# Altium PCB PCB2.PcbDoc (part 8 of 9) (continued)
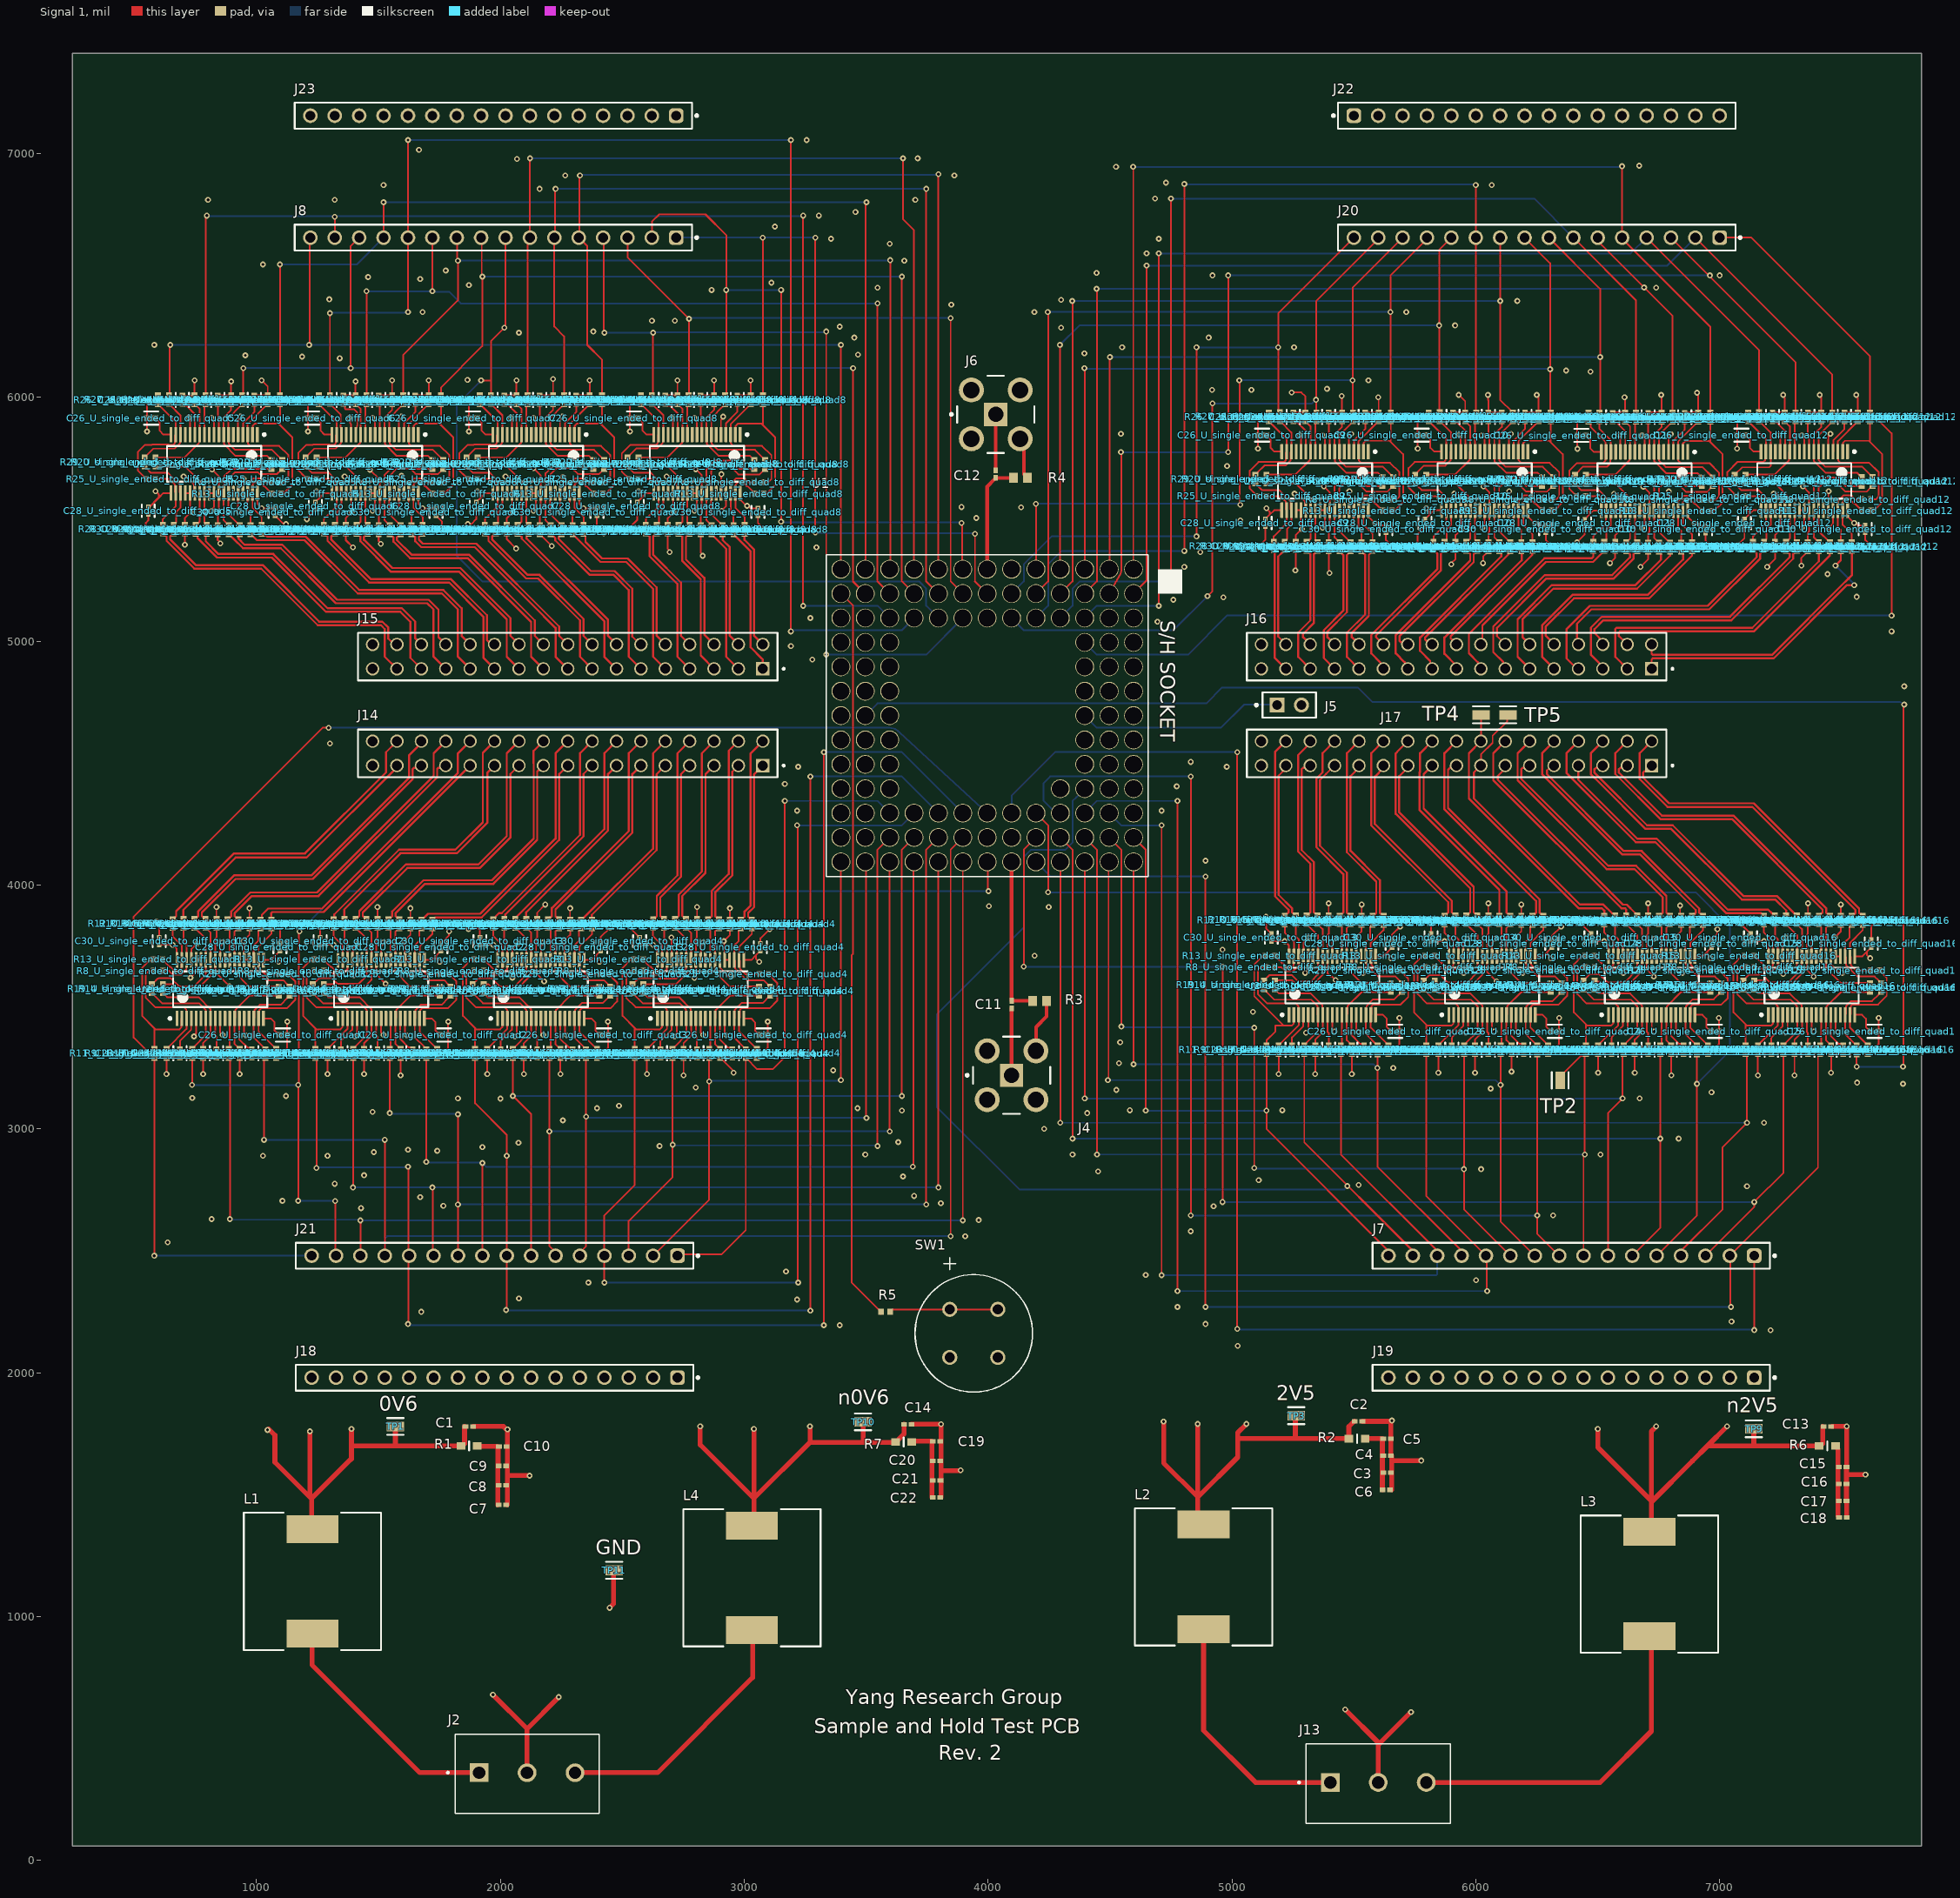
[diagram p0: Signal 1 view]
## Nets (pads, with @x,y where several pads share a name; then routed paths per layer and width w, separated by ;. In a path a pad name is that pad's centre, name@x,y a point inside that pad or via, vN(x,y) a via of type N, cw(c..) or ccw(c..) an arc to the next point about the centre after c; other vN are vias at no path point) (continued)
NetR23_U_single_ended_to_diff_quad4_2: R23_U_single_ended_to_diff_quad4.2 U2_U_single_ended_to_diff_quad4.12 | length 125.6
  Signal 1 w7: R23_U_single_ended_to_diff_quad4.2@2856.68,3328.9 2861.05,3333.27 U2_U_single_ended_to_diff_quad4.12@2861.05,3452.72
NetR23_U_single_ended_to_diff_quad5_2: R23_U_single_ended_to_diff_quad5.2 U2_U_single_ended_to_diff_quad5.12 | length 125.6
  Signal 1 w7: U2_U_single_ended_to_diff_quad5.12@787.31,5847.28 787.31,5966.73 R23_U_single_ended_to_diff_quad5.2@791.68,5971.1
NetR23_U_single_ended_to_diff_quad6_2: R23_U_single_ended_to_diff_quad6.2 U2_U_single_ended_to_diff_quad6.12 | length 125.6
  Signal 1 w7: U2_U_single_ended_to_diff_quad6.12@1447.31,5847.28 1447.31,5966.73 R23_U_single_ended_to_diff_quad6.2@1451.68,5971.1
NetR23_U_single_ended_to_diff_quad7_2: R23_U_single_ended_to_diff_quad7.2 U2_U_single_ended_to_diff_quad7.12 | length 125.6
  Signal 1 w7: U2_U_single_ended_to_diff_quad7.12@2107.31,5847.28 2107.31,5966.73 R23_U_single_ended_to_diff_quad7.2@2111.68,5971.1
NetR23_U_single_ended_to_diff_quad8_2: R23_U_single_ended_to_diff_quad8.2 U2_U_single_ended_to_diff_quad8.12 | length 125.6
  Signal 1 w7: U2_U_single_ended_to_diff_quad8.12@2767.31,5847.28 2767.31,5966.73 R23_U_single_ended_to_diff_quad8.2@2771.68,5971.1
NetR23_U_single_ended_to_diff_quad9_2: R23_U_single_ended_to_diff_quad9.2 U2_U_single_ended_to_diff_quad9.12 | length 125.6
  Signal 1 w7: U2_U_single_ended_to_diff_quad9.12@5342.31,5777.28 5342.31,5896.73 R23_U_single_ended_to_diff_quad9.2@5346.68,5901.1
NetR23_U_single_ended_to_diff_quad10_2: R23_U_single_ended_to_diff_quad10.2 U2_U_single_ended_to_diff_quad10.12 | length 125.6
  Signal 1 w7: U2_U_single_ended_to_diff_quad10.12@5997.31,5777.28 5997.31,5896.73 R23_U_single_ended_to_diff_quad10.2@6001.68,5901.1
NetR23_U_single_ended_to_diff_quad11_2: R23_U_single_ended_to_diff_quad11.2 U2_U_single_ended_to_diff_quad11.12 | length 125.6
  Signal 1 w7: U2_U_single_ended_to_diff_quad11.12@6652.31,5776.18 6652.31,5895.63 R23_U_single_ended_to_diff_quad11.2@6656.68,5900
NetR23_U_single_ended_to_diff_quad12_2: R23_U_single_ended_to_diff_quad12.2 U2_U_single_ended_to_diff_quad12.12 | length 125.6
  Signal 1 w7: U2_U_single_ended_to_diff_quad12.12@7307.31,5777.28 7307.31,5896.73 R23_U_single_ended_to_diff_quad12.2@7311.68,5901.1
NetR23_U_single_ended_to_diff_quad13_2: R23_U_single_ended_to_diff_quad13.2 U2_U_single_ended_to_diff_quad13.12 | length 125.6
  Signal 1 w7: R23_U_single_ended_to_diff_quad13.2@5446.68,3343.9 5451.05,3348.27 U2_U_single_ended_to_diff_quad13.12@5451.05,3467.72
NetR23_U_single_ended_to_diff_quad14_2: R23_U_single_ended_to_diff_quad14.2 U2_U_single_ended_to_diff_quad14.12 | length 125.6
  Signal 1 w7: R23_U_single_ended_to_diff_quad14.2@6101.68,3343.9 6106.05,3348.27 U2_U_single_ended_to_diff_quad14.12@6106.05,3467.72
NetR23_U_single_ended_to_diff_quad15_2: R23_U_single_ended_to_diff_quad15.2 U2_U_single_ended_to_diff_quad15.12 | length 125.6
  Signal 1 w7: R23_U_single_ended_to_diff_quad15.2@6756.68,3343.9 6761.05,3348.27 U2_U_single_ended_to_diff_quad15.12@6761.05,3467.72
NetR23_U_single_ended_to_diff_quad16_2: R23_U_single_ended_to_diff_quad16.2 U2_U_single_ended_to_diff_quad16.12 | length 125.6
  Signal 1 w7: R23_U_single_ended_to_diff_quad16.2@7411.68,3343.9 7416.05,3348.27 U2_U_single_ended_to_diff_quad16.12@7416.05,3467.72
NetR24_U_single_ended_to_diff_quad1_2: R24_U_single_ended_to_diff_quad1.2 U2_U_single_ended_to_diff_quad1.27 | length 134.5
  Signal 1 w6: R24_U_single_ended_to_diff_quad1.2@881.68,3822.8 R24_U_single_ended_to_diff_quad1.2@882.86,3822.8
  Signal 1 w7: R24_U_single_ended_to_diff_quad1.2@882.86,3822.8 891.05,3814.61 U2_U_single_ended_to_diff_quad1.27@891.05,3692.87
NetR24_U_single_ended_to_diff_quad2_2: R24_U_single_ended_to_diff_quad2.2 U2_U_single_ended_to_diff_quad2.27 | length 134.5
  Signal 1 w7: R24_U_single_ended_to_diff_quad2.2@1541.68,3822.8 1542.86,3822.8 1551.05,3814.61 U2_U_single_ended_to_diff_quad2.27@1551.05,3692.87
NetR24_U_single_ended_to_diff_quad3_2: R24_U_single_ended_to_diff_quad3.2 U2_U_single_ended_to_diff_quad3.27 | length 134.5
  Signal 1 w6: R24_U_single_ended_to_diff_quad3.2@2196.68,3822.8 R24_U_single_ended_to_diff_quad3.2@2197.86,3822.8
  Signal 1 w7: R24_U_single_ended_to_diff_quad3.2@2197.86,3822.8 2206.05,3814.61 U2_U_single_ended_to_diff_quad3.27@2206.05,3692.87
NetR24_U_single_ended_to_diff_quad4_2: R24_U_single_ended_to_diff_quad4.2 U2_U_single_ended_to_diff_quad4.27 | length 134.5
  Signal 1 w7: R24_U_single_ended_to_diff_quad4.2@2851.68,3822.8 2852.86,3822.8 2861.05,3814.61 U2_U_single_ended_to_diff_quad4.27@2861.05,3692.87
NetR24_U_single_ended_to_diff_quad5_2: R24_U_single_ended_to_diff_quad5.2 U2_U_single_ended_to_diff_quad5.27 | length 134.5
  Signal 1 w7: U2_U_single_ended_to_diff_quad5.27@787.31,5607.13 787.31,5485.39 795.5,5477.2 R24_U_single_ended_to_diff_quad5.2@796.68,5477.2
NetR24_U_single_ended_to_diff_quad6_2: R24_U_single_ended_to_diff_quad6.2 U2_U_single_ended_to_diff_quad6.27 | length 134.5
  Signal 1 w7: U2_U_single_ended_to_diff_quad6.27@1447.31,5607.13 1447.31,5485.39 1455.5,5477.2 R24_U_single_ended_to_diff_quad6.2@1456.68,5477.2
NetR24_U_single_ended_to_diff_quad7_2: R24_U_single_ended_to_diff_quad7.2 U2_U_single_ended_to_diff_quad7.27 | length 134.5
  Signal 1 w7: U2_U_single_ended_to_diff_quad7.27@2107.31,5607.13 2107.31,5485.39 2115.5,5477.2 R24_U_single_ended_to_diff_quad7.2@2116.68,5477.2
NetR24_U_single_ended_to_diff_quad8_2: R24_U_single_ended_to_diff_quad8.2 U2_U_single_ended_to_diff_quad8.27 | length 134.5
  Signal 1 w7: U2_U_single_ended_to_diff_quad8.27@2767.31,5607.13 2767.31,5485.39 2775.5,5477.2 R24_U_single_ended_to_diff_quad8.2@2776.68,5477.2
NetR24_U_single_ended_to_diff_quad9_2: R24_U_single_ended_to_diff_quad9.2 U2_U_single_ended_to_diff_quad9.27 | length 134.5
  Signal 1 w7: U2_U_single_ended_to_diff_quad9.27@5342.31,5537.13 5342.31,5415.39 5350.5,5407.2 R24_U_single_ended_to_diff_quad9.2@5351.68,5407.2
NetR24_U_single_ended_to_diff_quad10_2: R24_U_single_ended_to_diff_quad10.2 U2_U_single_ended_to_diff_quad10.27 | length 134.5
  Signal 1 w7: U2_U_single_ended_to_diff_quad10.27@5997.31,5537.13 5997.31,5415.39 6005.5,5407.2 R24_U_single_ended_to_diff_quad10.2@6006.68,5407.2
NetR24_U_single_ended_to_diff_quad11_2: R24_U_single_ended_to_diff_quad11.2 U2_U_single_ended_to_diff_quad11.27 | length 134.5
  Signal 1 w7: U2_U_single_ended_to_diff_quad11.27@6652.31,5536.02 6652.31,5414.29 6660.5,5406.1 R24_U_single_ended_to_diff_quad11.2@6661.68,5406.1
NetR24_U_single_ended_to_diff_quad12_2: R24_U_single_ended_to_diff_quad12.2 U2_U_single_ended_to_diff_quad12.27 | length 134.5
  Signal 1 w7: U2_U_single_ended_to_diff_quad12.27@7307.31,5537.13 7307.31,5415.39 7315.5,5407.2 R24_U_single_ended_to_diff_quad12.2@7316.68,5407.2
NetR24_U_single_ended_to_diff_quad13_2: R24_U_single_ended_to_diff_quad13.2 U2_U_single_ended_to_diff_quad13.27 | length 134.5
  Signal 1 w7: R24_U_single_ended_to_diff_quad13.2@5441.68,3837.8 5442.86,3837.8 5451.05,3829.61 U2_U_single_ended_to_diff_quad13.27@5451.05,3707.87
NetR24_U_single_ended_to_diff_quad14_2: R24_U_single_ended_to_diff_quad14.2 U2_U_single_ended_to_diff_quad14.27 | length 134.5
  Signal 1 w7: R24_U_single_ended_to_diff_quad14.2@6096.68,3837.8 6097.86,3837.8 6106.05,3829.61 U2_U_single_ended_to_diff_quad14.27@6106.05,3707.87
NetR24_U_single_ended_to_diff_quad15_2: R24_U_single_ended_to_diff_quad15.2 U2_U_single_ended_to_diff_quad15.27 | length 134.5
  Signal 1 w7: R24_U_single_ended_to_diff_quad15.2@6751.68,3837.8 6752.86,3837.8 6761.05,3829.61 U2_U_single_ended_to_diff_quad15.27@6761.05,3707.87
NetR24_U_single_ended_to_diff_quad16_2: R24_U_single_ended_to_diff_quad16.2 U2_U_single_ended_to_diff_quad16.27 | length 134.5
  Signal 1 w7: R24_U_single_ended_to_diff_quad16.2@7406.68,3837.8 7407.86,3837.8 7416.05,3829.61 U2_U_single_ended_to_diff_quad16.27@7416.05,3707.87
NetR25_U_single_ended_to_diff_quad1_1: R25_U_single_ended_to_diff_quad1.1 R26_U_single_ended_to_diff_quad1.2 U2_U_single_ended_to_diff_quad1.18 | length 473.1
  Signal 1 w7: R26_U_single_ended_to_diff_quad1.2@1081.68,3328.9 1080.5,3328.9 1009.16,3400.24 U2_U_single_ended_to_diff_quad1.18@1009.16,3452.72 1011.94,3455.5 1011.94,3487.63 1019.53,3495.21 1038.17,3495.21 1038.31,3495.07 1124.44,3495.07 1159.89,3530.52 1159.89,3604.51 1130.58,3633.82 R25_U_single_ended_to_diff_quad1.1@1130.58,3635
NetR25_U_single_ended_to_diff_quad1_2: R25_U_single_ended_to_diff_quad1.2 R28_U_single_ended_to_diff_quad1.2 U2_U_single_ended_to_diff_quad1.21 | length 276.4
  Signal 1 w7: R28_U_single_ended_to_diff_quad1.2@1061.68,3821.1 1061.68,3800 1009.16,3747.48 U2_U_single_ended_to_diff_quad1.21@1009.16,3692.87 1011.94,3690.09 1011.94,3657.96 1019.53,3650.38 1019.64,3650.38 1035.02,3635 R25_U_single_ended_to_diff_quad1.2@1092.78,3635
NetR25_U_single_ended_to_diff_quad2_1: R25_U_single_ended_to_diff_quad2.1 R26_U_single_ended_to_diff_quad2.2 U2_U_single_ended_to_diff_quad2.18 | length 473.1
  Signal 1 w7: R26_U_single_ended_to_diff_quad2.2@1741.68,3328.9 1740.5,3328.9 1669.16,3400.24 U2_U_single_ended_to_diff_quad2.18@1669.16,3452.72 1671.94,3455.5 1671.94,3487.63 1679.53,3495.21 1698.17,3495.21 1698.31,3495.07 1784.44,3495.07 1819.89,3530.52 1819.89,3604.51 1790.58,3633.82 R25_U_single_ended_to_diff_quad2.1@1790.58,3635
NetR25_U_single_ended_to_diff_quad2_2: R25_U_single_ended_to_diff_quad2.2 R28_U_single_ended_to_diff_quad2.2 U2_U_single_ended_to_diff_quad2.21 | length 276.4
  Signal 1 w7: R28_U_single_ended_to_diff_quad2.2@1721.68,3821.1 1721.68,3800 1669.16,3747.48 U2_U_single_ended_to_diff_quad2.21@1669.16,3692.87 1671.94,3690.09 1671.94,3657.96 1679.53,3650.38 1679.64,3650.38 1695.02,3635 R25_U_single_ended_to_diff_quad2.2@1752.78,3635
NetR25_U_single_ended_to_diff_quad3_1: R25_U_single_ended_to_diff_quad3.1 R26_U_single_ended_to_diff_quad3.2 U2_U_single_ended_to_diff_quad3.18 | length 483.9
  Signal 1 w7: R26_U_single_ended_to_diff_quad3.2@2396.68,3328.9 2395.5,3328.9 2324.16,3400.24 U2_U_single_ended_to_diff_quad3.18@2324.16,3452.72 2326.94,3455.5 2326.94,3487.63 2334.53,3495.21 2353.17,3495.21 2353.31,3495.07 2452.07,3495.07 2479,3522 2479,3600.4 2445.58,3633.82 R25_U_single_ended_to_diff_quad3.1@2445.58,3635
NetR25_U_single_ended_to_diff_quad3_2: R25_U_single_ended_to_diff_quad3.2 R28_U_single_ended_to_diff_quad3.2 U2_U_single_ended_to_diff_quad3.21 | length 276.4
  Signal 1 w7: R28_U_single_ended_to_diff_quad3.2@2376.68,3821.1 2376.68,3800 2324.16,3747.48 U2_U_single_ended_to_diff_quad3.21@2324.16,3692.87 2326.94,3690.09 2326.94,3657.96 2334.53,3650.38 2334.64,3650.38 2350.02,3635 R25_U_single_ended_to_diff_quad3.2@2407.78,3635
NetR25_U_single_ended_to_diff_quad4_1: R25_U_single_ended_to_diff_quad4.1 R26_U_single_ended_to_diff_quad4.2 U2_U_single_ended_to_diff_quad4.18 | length 484.3
  Signal 1 w7: R26_U_single_ended_to_diff_quad4.2@3051.68,3328.9 3050.5,3328.9 2979.16,3400.24 U2_U_single_ended_to_diff_quad4.18@2979.16,3452.72 2981.94,3455.5 2981.94,3487.63 2989.53,3495.21 3008.17,3495.21 3008.31,3495.07 3105.07,3495.07 3136,3526 3136,3598.4 3100.58,3633.82 R25_U_single_ended_to_diff_quad4.1@3100.58,3635
NetR25_U_single_ended_to_diff_quad4_2: R25_U_single_ended_to_diff_quad4.2 R28_U_single_ended_to_diff_quad4.2 U2_U_single_ended_to_diff_quad4.21 | length 276.4
  Signal 1 w7: R28_U_single_ended_to_diff_quad4.2@3031.68,3821.1 3031.68,3800 2979.16,3747.48 U2_U_single_ended_to_diff_quad4.21@2979.16,3692.87 2981.94,3690.09 2981.94,3657.96 2989.53,3650.38 2989.64,3650.38 3005.02,3635 R25_U_single_ended_to_diff_quad4.2@3062.78,3635
NetR25_U_single_ended_to_diff_quad5_1: R25_U_single_ended_to_diff_quad5.1 R26_U_single_ended_to_diff_quad5.2 U2_U_single_ended_to_diff_quad5.18 | length 484
  Signal 1 w7: R25_U_single_ended_to_diff_quad5.1@547.78,5665 547.78,5666.18 514,5699.97 514,5776 542.93,5804.93 571.5,5804.93 572.5,5805.93 639.06,5805.93 640.2,5804.79 658.84,5804.79 666.42,5812.37 666.42,5844.5 U2_U_single_ended_to_diff_quad5.18@669.2,5847.28 669.2,5899.76 597.86,5971.1 R26_U_single_ended_to_diff_quad5.2@596.68,5971.1
NetR25_U_single_ended_to_diff_quad5_2: R25_U_single_ended_to_diff_quad5.2 R28_U_single_ended_to_diff_quad5.2 U2_U_single_ended_to_diff_quad5.21 | length 276.4
  Signal 1 w7: R25_U_single_ended_to_diff_quad5.2@585.58,5665 643.35,5665 658.72,5649.62 658.84,5649.62 666.42,5642.04 666.42,5609.91 U2_U_single_ended_to_diff_quad5.21@669.2,5607.13 669.2,5552.52 616.68,5500 R28_U_single_ended_to_diff_quad5.2@616.68,5478.9
NetR25_U_single_ended_to_diff_quad6_1: R25_U_single_ended_to_diff_quad6.1 R26_U_single_ended_to_diff_quad6.2 U2_U_single_ended_to_diff_quad6.18 | length 484.4
  Signal 1 w7: R25_U_single_ended_to_diff_quad6.1@1207.79,5665 1207.79,5666.18 1200.26,5673.7 1199.08,5673.7 1173,5699.79 1173,5773 1204.93,5804.93 1231.5,5804.93 1232.5,5805.93 1299.06,5805.93 1300.2,5804.79 1318.84,5804.79 1326.42,5812.37 1326.42,5844.5 U2_U_single_ended_to_diff_quad6.18@1329.2,5847.28 1329.2,5899.76 1257.86,5971.1 R26_U_single_ended_to_diff_quad6.2@1256.68,5971.1
NetR25_U_single_ended_to_diff_quad6_2: R25_U_single_ended_to_diff_quad6.2 R28_U_single_ended_to_diff_quad6.2 U2_U_single_ended_to_diff_quad6.21 | length 276.4
  Signal 1 w7: R25_U_single_ended_to_diff_quad6.2@1245.58,5665 1303.35,5665 1318.72,5649.62 1318.84,5649.62 1326.42,5642.04 1326.42,5609.91 U2_U_single_ended_to_diff_quad6.21@1329.2,5607.13 1329.2,5552.52 1276.68,5500 R28_U_single_ended_to_diff_quad6.2@1276.68,5478.9
NetR25_U_single_ended_to_diff_quad7_1: R25_U_single_ended_to_diff_quad7.1 R26_U_single_ended_to_diff_quad7.2 U2_U_single_ended_to_diff_quad7.18 | length 484
  Signal 1 w7: R25_U_single_ended_to_diff_quad7.1@1867.79,5665 1867.79,5666.18 1860.26,5673.7 1859.08,5673.7 1832,5700.79 1832,5770 1866.93,5804.93 1891.5,5804.93 1892.5,5805.93 1959.06,5805.93 1960.2,5804.79 1978.84,5804.79 1986.42,5812.37 1986.42,5844.5 U2_U_single_ended_to_diff_quad7.18@1989.2,5847.28 1989.2,5899.76 1917.86,5971.1 R26_U_single_ended_to_diff_quad7.2@1916.68,5971.1
NetR25_U_single_ended_to_diff_quad7_2: R25_U_single_ended_to_diff_quad7.2 R28_U_single_ended_to_diff_quad7.2 U2_U_single_ended_to_diff_quad7.21 | length 276.4
  Signal 1 w7: R25_U_single_ended_to_diff_quad7.2@1905.58,5665 1963.35,5665 1978.72,5649.62 1978.84,5649.62 1986.42,5642.04 1986.42,5609.91 U2_U_single_ended_to_diff_quad7.21@1989.2,5607.13 1989.2,5552.52 1936.68,5500 R28_U_single_ended_to_diff_quad7.2@1936.68,5478.9
NetR25_U_single_ended_to_diff_quad8_1: R25_U_single_ended_to_diff_quad8.1 R26_U_single_ended_to_diff_quad8.2 U2_U_single_ended_to_diff_quad8.18 | length 473.1
  Signal 1 w7: R25_U_single_ended_to_diff_quad8.1@2527.78,5665 2527.78,5666.18 2498.48,5695.49 2498.48,5769.48 2533.93,5804.93 2620.06,5804.93 2620.2,5804.79 2638.84,5804.79 2646.42,5812.37 2646.42,5844.5 U2_U_single_ended_to_diff_quad8.18@2649.2,5847.28 2649.2,5899.76 2577.86,5971.1 R26_U_single_ended_to_diff_quad8.2@2576.68,5971.1
NetR25_U_single_ended_to_diff_quad8_2: R25_U_single_ended_to_diff_quad8.2 R28_U_single_ended_to_diff_quad8.2 U2_U_single_ended_to_diff_quad8.21 | length 276.4
  Signal 1 w7: R25_U_single_ended_to_diff_quad8.2@2565.58,5665 2623.35,5665 2638.72,5649.62 2638.84,5649.62 2646.42,5642.04 2646.42,5609.91 U2_U_single_ended_to_diff_quad8.21@2649.2,5607.13 2649.2,5552.52 2596.68,5500 R28_U_single_ended_to_diff_quad8.2@2596.68,5478.9
NetR25_U_single_ended_to_diff_quad9_1: R25_U_single_ended_to_diff_quad9.1 R26_U_single_ended_to_diff_quad9.2 U2_U_single_ended_to_diff_quad9.18 | length 473.1
  Signal 1 w7: R25_U_single_ended_to_diff_quad9.1@5102.78,5595 5102.78,5596.18 5073.48,5625.49 5073.48,5699.48 5108.93,5734.93 5195.06,5734.93 5195.2,5734.79 5213.84,5734.79 5221.42,5742.37 5221.42,5774.5 U2_U_single_ended_to_diff_quad9.18@5224.2,5777.28 5224.2,5829.76 5152.86,5901.1 R26_U_single_ended_to_diff_quad9.2@5151.68,5901.1
NetR25_U_single_ended_to_diff_quad9_2: R25_U_single_ended_to_diff_quad9.2 R28_U_single_ended_to_diff_quad9.2 U2_U_single_ended_to_diff_quad9.21 | length 276.4
  Signal 1 w7: R25_U_single_ended_to_diff_quad9.2@5140.58,5595 5198.35,5595 5213.72,5579.62 5213.84,5579.62 5221.42,5572.04 5221.42,5539.91 U2_U_single_ended_to_diff_quad9.21@5224.2,5537.13 5224.2,5482.52 5171.68,5430 R28_U_single_ended_to_diff_quad9.2@5171.68,5408.9
NetR25_U_single_ended_to_diff_quad10_1: R25_U_single_ended_to_diff_quad10.1 R26_U_single_ended_to_diff_quad10.2 U2_U_single_ended_to_diff_quad10.18 | length 485.6
  Signal 1 w7: R25_U_single_ended_to_diff_quad10.1@5757.78,5595 5757.78,5596.18 5724,5629.97 5724,5710 5748.93,5734.93 5850.06,5734.93 5850.2,5734.79 5868.84,5734.79 5876.42,5742.37 5876.42,5774.5 U2_U_single_ended_to_diff_quad10.18@5879.2,5777.28 5879.2,5829.76 5807.86,5901.1 R26_U_single_ended_to_diff_quad10.2@5806.68,5901.1
NetR25_U_single_ended_to_diff_quad10_2: R25_U_single_ended_to_diff_quad10.2 R28_U_single_ended_to_diff_quad10.2 U2_U_single_ended_to_diff_quad10.21 | length 276.4
  Signal 1 w7: R25_U_single_ended_to_diff_quad10.2@5795.58,5595 5853.35,5595 5868.72,5579.62 5868.84,5579.62 5876.42,5572.04 5876.42,5539.91 U2_U_single_ended_to_diff_quad10.21@5879.2,5537.13 5879.2,5482.52 5826.68,5430 R28_U_single_ended_to_diff_quad10.2@5826.68,5408.9
NetR25_U_single_ended_to_diff_quad11_1: R25_U_single_ended_to_diff_quad11.1 R26_U_single_ended_to_diff_quad11.2 U2_U_single_ended_to_diff_quad11.18 | length 474.2
  Signal 1 w7: R25_U_single_ended_to_diff_quad11.1@6412.78,5593.9 6412.78,5595.08 6382.98,5624.89 6382.98,5698.58 6415.09,5730.69 6521.55,5730.69 6531.92,5741.06 6531.92,5773.9 U2_U_single_ended_to_diff_quad11.18@6534.2,5776.18 6531.92,5778.46 6531.92,5816.94 6470.39,5878.48 6470.39,5892.48 6462.86,5900 R26_U_single_ended_to_diff_quad11.2@6461.68,5900
NetR25_U_single_ended_to_diff_quad11_2: R25_U_single_ended_to_diff_quad11.2 R28_U_single_ended_to_diff_quad11.2 U2_U_single_ended_to_diff_quad11.21 | length 276.8
  Signal 1 w7: R25_U_single_ended_to_diff_quad11.2@6450.58,5593.9 6509.17,5593.9 6531.92,5571.14 6531.92,5538.3 U2_U_single_ended_to_diff_quad11.21@6534.2,5536.02 6534.2,5481.42 6481.68,5428.9 R28_U_single_ended_to_diff_quad11.2@6481.68,5407.8
NetR25_U_single_ended_to_diff_quad12_1: R25_U_single_ended_to_diff_quad12.1 R26_U_single_ended_to_diff_quad12.2 U2_U_single_ended_to_diff_quad12.18 | length 479
  Signal 1 w7: R25_U_single_ended_to_diff_quad12.1@7067.78,5595 7067.78,5596.18 7032,5631.97 7032,5694 7074,5736 7120.93,5736 7121,5735.93 7179.98,5735.93 7186.42,5742.37 7186.42,5774.5 U2_U_single_ended_to_diff_quad12.18@7189.2,5777.28 7189.2,5829.76 7117.86,5901.1 R26_U_single_ended_to_diff_quad12.2@7116.68,5901.1
NetR25_U_single_ended_to_diff_quad12_2: R25_U_single_ended_to_diff_quad12.2 R28_U_single_ended_to_diff_quad12.2 U2_U_single_ended_to_diff_quad12.21 | length 276.4
  Signal 1 w7: R25_U_single_ended_to_diff_quad12.2@7105.58,5595 7163.35,5595 7178.72,5579.62 7178.84,5579.62 7186.42,5572.04 7186.42,5539.91 U2_U_single_ended_to_diff_quad12.21@7189.2,5537.13 7189.2,5482.52 7136.68,5430 R28_U_single_ended_to_diff_quad12.2@7136.68,5408.9
NetR25_U_single_ended_to_diff_quad13_1: R25_U_single_ended_to_diff_quad13.1 R26_U_single_ended_to_diff_quad13.2 U2_U_single_ended_to_diff_quad13.18 | length 479.9
  Signal 1 w7: R26_U_single_ended_to_diff_quad13.2@5641.68,3343.9 5640.5,3343.9 5569.16,3415.24 U2_U_single_ended_to_diff_quad13.18@5569.16,3467.72 5571.94,3470.5 5571.94,3502.63 5579.53,3510.21 5598.17,3510.21 5598.31,3510.07 5691.71,3510.07 5723,3541.36 5723,3616.4 5690.58,3648.82 R25_U_single_ended_to_diff_quad13.1@5690.58,3650
NetR25_U_single_ended_to_diff_quad13_2: R25_U_single_ended_to_diff_quad13.2 R28_U_single_ended_to_diff_quad13.2 U2_U_single_ended_to_diff_quad13.21 | length 276.4
  Signal 1 w7: R28_U_single_ended_to_diff_quad13.2@5621.68,3836.1 5621.68,3815 5569.16,3762.48 U2_U_single_ended_to_diff_quad13.21@5569.16,3707.87 5571.94,3705.09 5571.94,3672.96 5579.53,3665.38 5579.64,3665.38 5595.02,3650 R25_U_single_ended_to_diff_quad13.2@5652.78,3650
NetR25_U_single_ended_to_diff_quad14_1: R25_U_single_ended_to_diff_quad14.1 R26_U_single_ended_to_diff_quad14.2 U2_U_single_ended_to_diff_quad14.18 | length 473.1
  Signal 1 w7: R26_U_single_ended_to_diff_quad14.2@6296.68,3343.9 6295.5,3343.9 6224.16,3415.24 U2_U_single_ended_to_diff_quad14.18@6224.16,3467.72 6226.94,3470.5 6226.94,3502.63 6234.53,3510.21 6253.17,3510.21 6253.31,3510.07 6339.44,3510.07 6374.89,3545.52 6374.89,3619.51 6345.58,3648.82 R25_U_single_ended_to_diff_quad14.1@6345.58,3650
NetR25_U_single_ended_to_diff_quad14_2: R25_U_single_ended_to_diff_quad14.2 R28_U_single_ended_to_diff_quad14.2 U2_U_single_ended_to_diff_quad14.21 | length 276.4
  Signal 1 w7: R28_U_single_ended_to_diff_quad14.2@6276.68,3836.1 6276.68,3815 6224.16,3762.48 U2_U_single_ended_to_diff_quad14.21@6224.16,3707.87 6226.94,3705.09 6226.94,3672.96 6234.53,3665.38 6234.64,3665.38 6250.02,3650 R25_U_single_ended_to_diff_quad14.2@6307.78,3650
NetR25_U_single_ended_to_diff_quad15_1: R25_U_single_ended_to_diff_quad15.1 R26_U_single_ended_to_diff_quad15.2 U2_U_single_ended_to_diff_quad15.18 | length 483
  Signal 1 w7: R26_U_single_ended_to_diff_quad15.2@6951.68,3343.9 6950.5,3343.9 6879.16,3415.24 U2_U_single_ended_to_diff_quad15.18@6879.16,3467.72 6881.94,3470.5 6881.94,3502.63 6889.53,3510.21 6908.17,3510.21 6908.31,3510.07 7007.07,3510.07 7033,3536 7033,3616.4 7000.58,3648.82 R25_U_single_ended_to_diff_quad15.1@7000.58,3650
NetR25_U_single_ended_to_diff_quad15_2: R25_U_single_ended_to_diff_quad15.2 R28_U_single_ended_to_diff_quad15.2 U2_U_single_ended_to_diff_quad15.21 | length 276.4
  Signal 1 w7: R28_U_single_ended_to_diff_quad15.2@6931.68,3836.1 6931.68,3815 6879.16,3762.48 U2_U_single_ended_to_diff_quad15.21@6879.16,3707.87 6881.94,3705.09 6881.94,3672.96 6889.53,3665.38 6889.64,3665.38 6905.02,3650 R25_U_single_ended_to_diff_quad15.2@6962.78,3650
NetR25_U_single_ended_to_diff_quad16_1: R25_U_single_ended_to_diff_quad16.1 R26_U_single_ended_to_diff_quad16.2 U2_U_single_ended_to_diff_quad16.18 | length 473.1
  Signal 1 w7: R26_U_single_ended_to_diff_quad16.2@7606.68,3343.9 7605.5,3343.9 7534.16,3415.24 U2_U_single_ended_to_diff_quad16.18@7534.16,3467.72 7536.94,3470.5 7536.94,3502.63 7544.53,3510.21 7563.17,3510.21 7563.31,3510.07 7649.44,3510.07 7684.89,3545.52 7684.89,3619.51 7655.58,3648.82 R25_U_single_ended_to_diff_quad16.1@7655.58,3650
NetR25_U_single_ended_to_diff_quad16_2: R25_U_single_ended_to_diff_quad16.2 R28_U_single_ended_to_diff_quad16.2 U2_U_single_ended_to_diff_quad16.21 | length 276.4
  Signal 1 w7: R28_U_single_ended_to_diff_quad16.2@7586.68,3836.1 7586.68,3815 7534.16,3762.48 U2_U_single_ended_to_diff_quad16.21@7534.16,3707.87 7536.94,3705.09 7536.94,3672.96 7544.53,3665.38 7544.64,3665.38 7560.02,3650 R25_U_single_ended_to_diff_quad16.2@7617.78,3650
NetR27_U_single_ended_to_diff_quad1_2: R27_U_single_ended_to_diff_quad1.2 R29_U_single_ended_to_diff_quad1.1 U2_U_single_ended_to_diff_quad1.17 | length 350.6
  Signal 1 w7: R27_U_single_ended_to_diff_quad1.2@1036.68,3327.95 1035.5,3327.95 989.48,3373.97 U2_U_single_ended_to_diff_quad1.17@989.48,3452.72 991.76,3455 991.76,3487.13 992.26,3487.63 997.94,3493.31 997.94,3493.43 1013.73,3509.21 1043.97,3509.21 1044.1,3509.07 1099.66,3509.07 1127.48,3536.9 1127.48,3538.08 1135.5,3546.1 R29_U_single_ended_to_diff_quad1.1@1136.68,3546.1
NetR27_U_single_ended_to_diff_quad2_2: R27_U_single_ended_to_diff_quad2.2 R29_U_single_ended_to_diff_quad2.1 U2_U_single_ended_to_diff_quad2.17 | length 350.6
  Signal 1 w7: R27_U_single_ended_to_diff_quad2.2@1696.68,3327.95 1695.5,3327.95 1687.98,3335.47 1687.98,3336.65 1649.48,3375.15 U2_U_single_ended_to_diff_quad2.17@1649.48,3452.72 1652.26,3455.5 1652.26,3487.63 1657.94,3493.31 1657.94,3493.43 1673.73,3509.21 1703.97,3509.21 1704.1,3509.07 1759.66,3509.07 1787.48,3536.9 1787.48,3538.08 1795.5,3546.1 R29_U_single_ended_to_diff_quad2.1@1796.68,3546.1
NetR27_U_single_ended_to_diff_quad3_2: R27_U_single_ended_to_diff_quad3.2 R29_U_single_ended_to_diff_quad3.1 U2_U_single_ended_to_diff_quad3.17 | length 350.6
  Signal 1 w7: R27_U_single_ended_to_diff_quad3.2@2351.68,3327.95 2350.5,3327.95 2304.48,3373.97 U2_U_single_ended_to_diff_quad3.17@2304.48,3452.72 2306.76,3455 2306.76,3488.66 2334.31,3516.21 2420.61,3516.21 2450.5,3546.1 R29_U_single_ended_to_diff_quad3.1@2451.68,3546.1
NetR27_U_single_ended_to_diff_quad4_2: R27_U_single_ended_to_diff_quad4.2 R29_U_single_ended_to_diff_quad4.1 U2_U_single_ended_to_diff_quad4.17 | length 350.6
  Signal 1 w7: R27_U_single_ended_to_diff_quad4.2@3006.68,3327.95 3005.5,3327.95 2959.48,3373.97 U2_U_single_ended_to_diff_quad4.17@2959.48,3452.72 2961.76,3455 2961.76,3488.66 2989.31,3516.21 3075.61,3516.21 3105.5,3546.1 R29_U_single_ended_to_diff_quad4.1@3106.68,3546.1
NetR27_U_single_ended_to_diff_quad5_2: R27_U_single_ended_to_diff_quad5.2 R29_U_single_ended_to_diff_quad5.1 U2_U_single_ended_to_diff_quad5.17 | length 351.3
  Signal 1 w7: R29_U_single_ended_to_diff_quad5.1@541.68,5753.9 542.86,5753.9 550.89,5761.92 550.89,5763.1 577.36,5789.57 664.83,5789.57 686.61,5811.34 686.61,5845 U2_U_single_ended_to_diff_quad5.17@688.89,5847.28 688.89,5926.03 642.86,5972.05 R27_U_single_ended_to_diff_quad5.2@641.68,5972.05
NetR27_U_single_ended_to_diff_quad6_2: R27_U_single_ended_to_diff_quad6.2 R29_U_single_ended_to_diff_quad6.1 U2_U_single_ended_to_diff_quad6.17 | length 351.3
  Signal 1 w7: R29_U_single_ended_to_diff_quad6.1@1201.68,5753.9 1202.86,5753.9 1210.89,5761.92 1210.89,5763.1 1237.36,5789.57 1324.83,5789.57 1346.61,5811.34 1346.61,5845 U2_U_single_ended_to_diff_quad6.17@1348.89,5847.28 1348.89,5872.87 1344.61,5877.15 1344.61,5930.31 1330,5944.92 1302.86,5972.05 R27_U_single_ended_to_diff_quad6.2@1301.68,5972.05
NetR27_U_single_ended_to_diff_quad7_2: R27_U_single_ended_to_diff_quad7.2 R29_U_single_ended_to_diff_quad7.1 U2_U_single_ended_to_diff_quad7.17 | length 351.3
  Signal 1 w7: R29_U_single_ended_to_diff_quad7.1@1861.68,5753.9 1862.86,5753.9 1870.89,5761.92 1870.89,5763.1 1897.36,5789.57 1984.83,5789.57 2006.61,5811.34 2006.61,5845 U2_U_single_ended_to_diff_quad7.17@2008.89,5847.28 2008.89,5926.03 1962.86,5972.05 R27_U_single_ended_to_diff_quad7.2@1961.68,5972.05
NetR27_U_single_ended_to_diff_quad8_2: R27_U_single_ended_to_diff_quad8.2 R29_U_single_ended_to_diff_quad8.1 U2_U_single_ended_to_diff_quad8.17 | length 350.6
  Signal 1 w7: R29_U_single_ended_to_diff_quad8.1@2521.68,5753.9 2522.86,5753.9 2530.89,5761.92 2530.89,5763.1 2558.71,5790.93 2614.26,5790.93 2614.4,5790.79 2644.64,5790.79 2660.42,5806.57 2660.42,5806.69 2666.11,5812.37 2666.11,5844.5 U2_U_single_ended_to_diff_quad8.17@2668.89,5847.28 2668.89,5926.03 2622.86,5972.05 R27_U_single_ended_to_diff_quad8.2@2621.68,5972.05
NetR27_U_single_ended_to_diff_quad9_2: R27_U_single_ended_to_diff_quad9.2 R29_U_single_ended_to_diff_quad9.1 U2_U_single_ended_to_diff_quad9.17 | length 350.6
  Signal 1 w7: R29_U_single_ended_to_diff_quad9.1@5096.68,5683.9 5097.86,5683.9 5105.89,5691.92 5105.89,5693.1 5133.71,5720.93 5189.26,5720.93 5189.4,5720.79 5219.64,5720.79 5235.42,5736.57 5235.42,5736.69 5241.11,5742.37 5241.11,5774.5 U2_U_single_ended_to_diff_quad9.17@5243.89,5777.28 5243.89,5856.03 5197.86,5902.05 R27_U_single_ended_to_diff_quad9.2@5196.68,5902.05
NetR27_U_single_ended_to_diff_quad10_2: R27_U_single_ended_to_diff_quad10.2 R29_U_single_ended_to_diff_quad10.1 U2_U_single_ended_to_diff_quad10.17 | length 351.3
  Signal 1 w7: R29_U_single_ended_to_diff_quad10.1@5751.68,5683.9 5752.86,5683.9 5760.89,5691.92 5760.89,5693.1 5787.36,5719.57 5874.83,5719.57 5896.61,5741.34 5896.61,5775 U2_U_single_ended_to_diff_quad10.17@5898.89,5777.28 5898.89,5856.03 5852.86,5902.05 R27_U_single_ended_to_diff_quad10.2@5851.68,5902.05
NetR27_U_single_ended_to_diff_quad11_2: R27_U_single_ended_to_diff_quad11.2 R29_U_single_ended_to_diff_quad11.1 U2_U_single_ended_to_diff_quad11.17 | length 356.9
  Signal 1 w7: R29_U_single_ended_to_diff_quad11.1@6406.68,5682.8 6407.86,5682.8 6440.76,5715.69 6538.9,5715.69 6551.61,5728.4 6551.61,5773.9 U2_U_single_ended_to_diff_quad11.17@6553.89,5776.18 6553.89,5824.06 6506.68,5871.26 R27_U_single_ended_to_diff_quad11.2@6506.68,5900.95
NetR27_U_single_ended_to_diff_quad12_2: R27_U_single_ended_to_diff_quad12.2 R29_U_single_ended_to_diff_quad12.1 U2_U_single_ended_to_diff_quad12.17 | length 365
  Signal 1 w7: R29_U_single_ended_to_diff_quad12.1@7061.68,5683.9 7062.86,5683.9 7091.97,5713 7202.9,5713 7208.89,5718.99 U2_U_single_ended_to_diff_quad12.17@7208.89,5777.28 7208.89,5856.03 7162.86,5902.05 R27_U_single_ended_to_diff_quad12.2@7161.68,5902.05